# Altium PCB PCB1-nano-withlogo-SMT.PcbDoc (part 5 of 5)
Units mil, origin at the board's own origin, x right, y up, seen from the top; angles counter-clockwise.
Board outline 3300 x 2100 mil, 2 copper layers (Top Layer, Bottom Layer); 48 components, 47 nets, 232 pads, 66 vias.
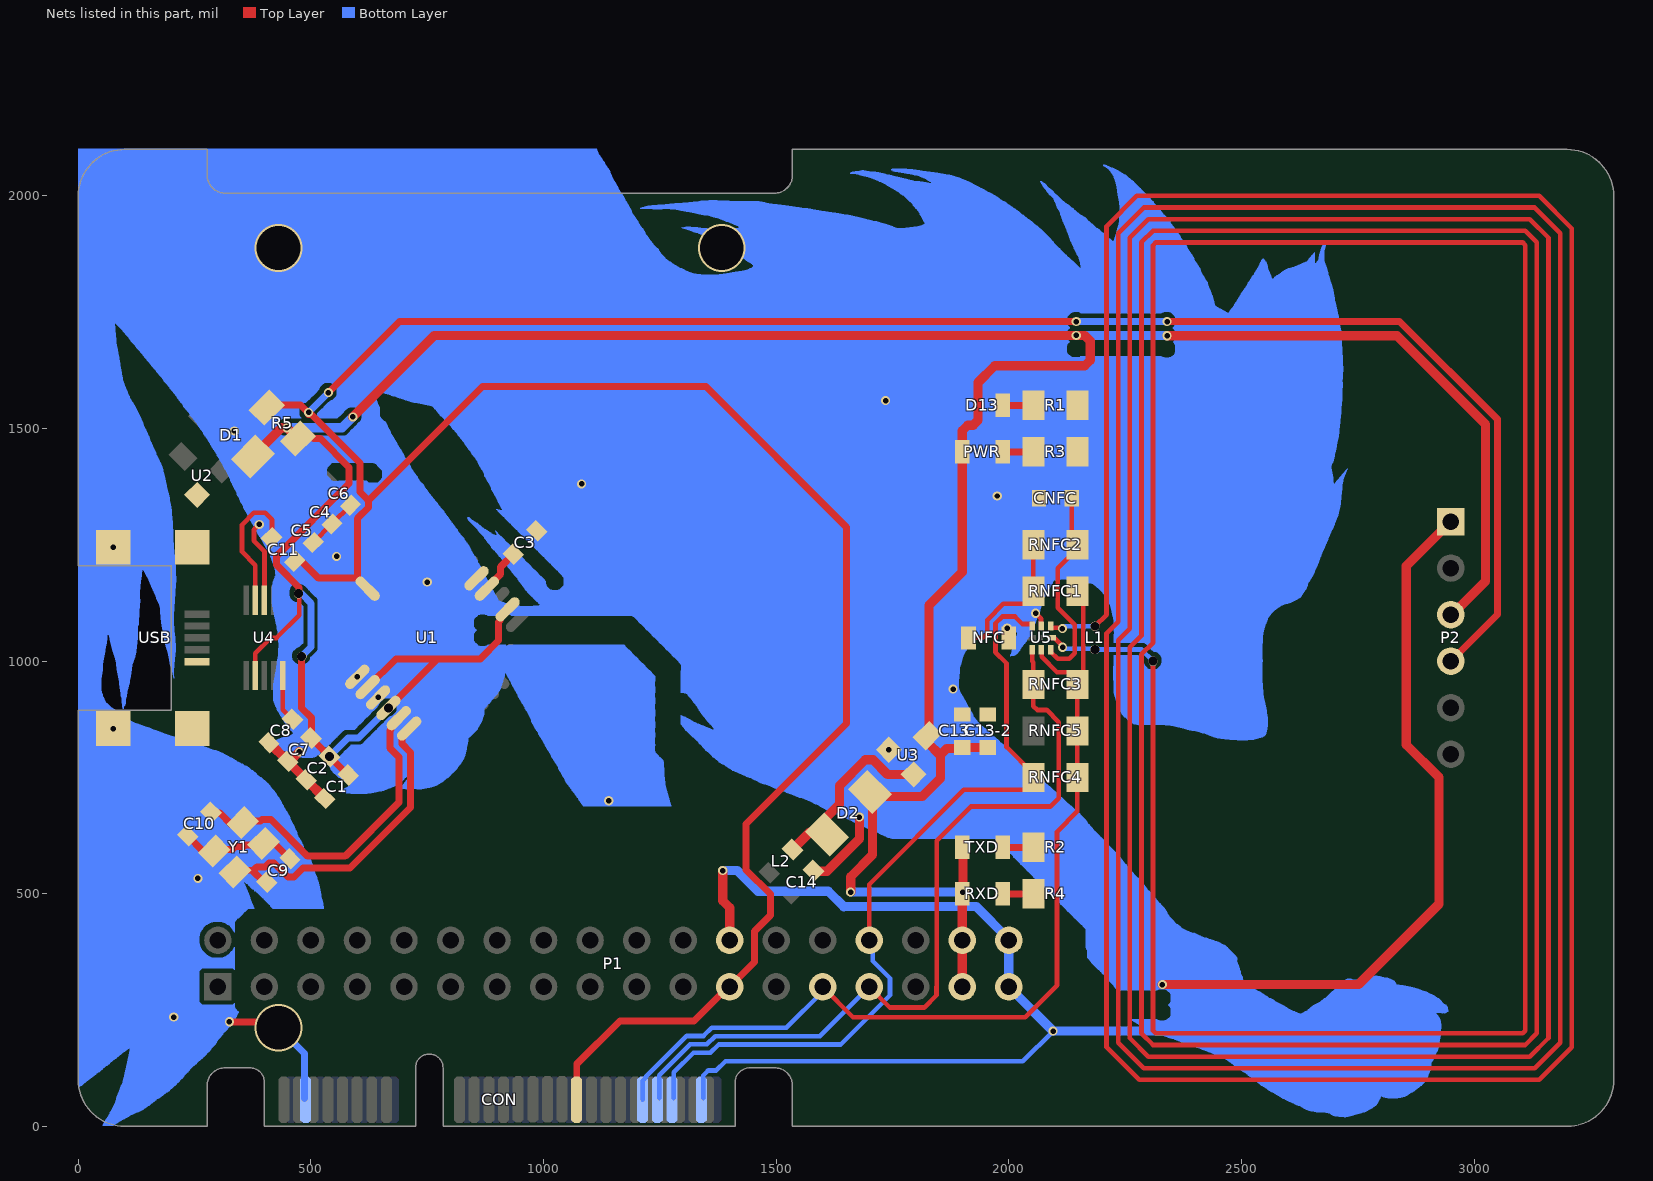
[diagram p5: the nets of this part, all layers, seen from the top]

## Via types
v1: diameter 19.68, hole 11.81, Top Layer to Bottom Layer, 55 vias
v2: diameter 20, hole 19.5, Top Layer to Bottom Layer, tented both sides, 8 vias
v3: diameter 102.36, hole 94.49, Top Layer to Bottom Layer, 3 vias

## Nets (pads, with @x,y where several pads share a name; then routed paths per layer and width w, separated by ;. In a path a pad name is that pad's centre, name@x,y a point inside that pad or via, vN(x,y) a via of type N, cw(c..) or ccw(c..) an arc to the next point about the centre after c; other vN are vias at no path point) (continued)
GND: (continued)
  Bottom Layer w1: 2428,162 2921,162 ; 2430,161 2920,161 ; 2430,842 2551,842 ; 2432,160 2920,160 ; 2432,841 2550,841 ; 2434,159 2919,159 ; 2435,840 2549,840 ; 2436,158 2919,158 ; 2438,157 2918,157 ; 2438,839 2547,839 ; 2440,156 2918,156 ; 2440,838 2546,838 ; 2442,155 2917,155 ; 2443,837 2544,837 ; 2445,154 2917,154 ; 2445,836 2541,836 ; 2447,153 2916,153 ; 2448,835 2537,835 ; 2449,152 2916,152 ; 2452,151 2916,151 ; 2454,150 2915,150 ; 2455,834 2534,834 ; 2456,149 2915,149 ; 2459,148 2914,148 ; 2462,147 2914,147 ; 2464,146 2913,146 ; 2464,833 2530,833 ; 2465,145 2913,145 ; 2467,144 2912,144 ; 2469,143 2912,143 ; 2471,142 2911,142 ; 2472,141 2910,141 ; 2473,1749 2707,1749 ; 2473,1750 2707,1750 ; 2474,140 2910,140 ; 2474,1751 2707,1751 ; 2475,139 2909,139 ; 2475,832 2526,832 ; 2475,1752 2706,1752 ; 2475,1753 2706,1753 ; 2476,1754 2706,1754 ; 2477,138 2908,138 ; 2477,1755 2706,1755 ; 2477,1756 2706,1756 ; 2478,137 2908,137 ; 2478,1757 2705,1757 ; 2479,136 2908,136 ; 2479,1758 2705,1758 ; 2479,1759 2705,1759 ; 2480,1760 2705,1760 ; 2481,135 2908,135 ; 2481,1761 2705,1761 ; 2482,134 2908,134 ; 2482,1762 2704,1762 ; 2482,1763 2704,1763 ; 2483,133 2908,133 ; 2483,1764 2704,1764 ; 2484,132 2908,132 ; 2484,1765 2704,1765 ; 2484,1766 2704,1766 ; 2485,1767 2703,1767 ; 2486,131 2908,131 ; 2486,1768 2703,1768 ; 2487,130 2908,130 ; 2487,1769 2703,1769 ; 2487,1770 2703,1770 ; 2488,129 2908,129 ; 2488,1771 2702,1771 ; 2489,128 2907,128 ; 2489,1772 2702,1772 ; 2489,1773 2702,1773 ; 2490,1774 2702,1774 ; 2490,1775 2701,1775 ; 2491,127 2907,127 ; 2491,831 2514,831 ; 2491,1776 2701,1776 ; 2491,1777 2701,1777 ; 2492,126 2907,126 ; 2492,1778 2701,1778 ; 2493,1779 2700,1779 ; 2493,1780 2700,1780 ; 2494,125 2907,125 ; 2494,1781 2700,1781 ; 2494,1782 2700,1782 ; 2495,124 2906,124 ; 2495,1783 2699,1783 ; 2496,1784 2699,1784 ; 2496,1785 2699,1785 ; 2497,123 2906,123 ; 2497,1786 2699,1786 ; 2497,1787 2699,1787 ; 2498,1788 2699,1788 ; 2499,122 2906,122 ; 2499,1789 2698,1789 ; 2499,1790 2698,1790 ; 2500,121 2906,121 ; 2500,1791 2698,1791 ; 2501,1792 2698,1792 ; 2501,1793 2698,1793 ; 2502,120 2905,120 ; 2502,1794 2698,1794 ; 2503,119 2905,119 ; 2503,1795 2697,1795 ; 2504,1796 2697,1796 ; 2504,1797 2697,1797 ; 2505,118 2905,118 ; 2505,1798 2697,1798 ; 2506,117 2904,117 ; 2506,1799 2697,1799 ; 2506,1800 2696,1800 ; 2507,116 2904,116 ; 2507,1801 2696,1801 ; 2508,1802 2696,1802 ; 2508,1803 2696,1803 ; 2509,115 2904,115 ; 2509,1804 2695,1804 ; 2509,1805 2695,1805 ; 2510,114 2903,114 ; 2510,1806 2695,1806 ; 2511,113 2903,113 ; 2511,1807 2695,1807 ; 2511,1808 2694,1808 ; 2512,1809 2694,1809 ; 2512,1810 2694,1810 ; 2513,112 2902,112 ; 2513,1811 2693,1811 ; 2514,111 2902,111 ; 2514,1812 2693,1812 ; 2514,1813 2693,1813 ; 2515,110 2901,110 ; 2515,1814 2692,1814 ; 2516,1815 2692,1815 ; 2516,1816 2692,1816 ; 2517,109 2901,109 ; 2517,1817 2691,1817 ; 2518,108 2900,108 ; 2518,1818 2691,1818 ; 2518,1819 2691,1819 ; 2519,1820 2691,1820 ; 2519,1821 2690,1821 ; 2520,107 2900,107 ; 2520,1822 2690,1822 ; 2521,106 2899,106 ; 2521,1823 2565,1823 ; 2521,1824 2565,1824 ; 2522,105 2899,105 ; 2522,1825 2564,1825 ; 2522,1826 2564,1826 ; 2523,1827 2564,1827 ; 2524,104 2899,104 ; 2524,1828 2564,1828 ; 2524,1829 2563,1829 ; 2525,103 2898,103 ; 2525,1830 2563,1830 ; 2526,102 2898,102 ; 2526,1831 2563,1831 ; 2527,101 2897,101 ; 2527,1832 2562,1832 ; 2527,1833 2562,1833 ; 2528,1834 2561,1834 ; 2529,100 2897,100 ; 2529,1835 2561,1835 ; 2529,1836 2561,1836 ; 2530,99 2896,99 ; 2530,1837 2560,1837 ; 2531,1838 2560,1838 ; 2531,1839 2559,1839 ; 2532,98 2895,98 ; 2532,1840 2559,1840 ; 2533,97 2895,97 ; 2533,1841 2558,1841 ; 2533,1842 2558,1842 ; 2534,96 2894,96 ; 2534,1843 2558,1843 ; 2534,1844 2557,1844 ; 2535,95 2893,95 ; 2535,1845 2557,1845 ; 2535,1846 2557,1846 ; 2536,94 2892,94 ; 2536,1847 2556,1847 ; 2536,1848 2556,1848 ; 2537,1849 2556,1849 ; 2537,1850 2556,1850 ; 2538,93 2891,93 ; 2538,1851 2555,1851 ; 2538,1852 2555,1852 ; 2539,92 2890,92 ; 2539,1853 2555,1853 ; 2539,1854 2554,1854 ; 2539,1855 2554,1855 ; 2540,91 2889,91 ; 2540,1856 2554,1856 ; 2540,1857 2553,1857 ; 2541,90 2888,90 ; 2541,1858 2553,1858 ; 2541,1859 2552,1859 ; 2542,1860 2551,1860 ; 2543,89 2887,89 ; 2543,1861 2551,1861 ; 2543,1862 2550,1862 ; 2544,88 2886,88 ; 2544,1863 2549,1863 ; 2545,1864 2549,1864 ; 2546,87 2884,87 ; 2546,1865 2548,1865 ; 2547,86 2883,86 ; 2549,85 2882,85 ; 2551,84 2881,84 ; 2552,83 2879,83 ; 2554,82 2878,82 ; 2555,81 2877,81 ; 2557,80 2875,80 ; 2558,79 2874,79 ; 2560,78 2872,78 ; 2562,77 2871,77 ; 2563,76 2869,76 ; 2565,75 2868,75 ; 2567,74 2866,74 ; 2568,73 2865,73 ; 2569,1823 2690,1823 ; 2570,72 2863,72 ; 2570,1824 2690,1824 ; 2571,1825 2689,1825 ; 2572,71 2862,71 ; 2572,1826 2689,1826 ; 2574,70 2860,70 ; 2574,1827 2689,1827 ; 2575,69 2859,69 ; 2575,1828 2688,1828 ; 2576,1829 2688,1829 ; 2577,68 2857,68 ; 2578,1830 2688,1830 ; 2579,67 2855,67 ; 2579,1831 2687,1831 ; 2580,1832 2687,1832 ; 2581,66 2853,66 ; 2582,65 2799,65 ; 2582,1833 2687,1833 ; 2583,1834 2686,1834 ; 2584,64 2799,64 ; 2585,1835 2686,1835 ; 2586,63 2798,63 ; 2586,1836 2686,1836 ; 2588,62 2798,62 ; 2588,1837 2685,1837 ; 2589,61 2798,61 ; 2589,1838 2685,1838 ; 2591,60 2797,60 ; 2591,1839 2685,1839 ; 2592,1840 2684,1840 ; 2593,59 2797,59 ; 2594,58 2796,58 ; 2594,1841 2684,1841 ; 2596,57 2796,57 ; 2596,1842 2684,1842 ; 2598,56 2795,56 ; 2598,1843 2684,1843 ; 2601,55 2795,55 ; 2601,1844 2683,1844 ; 2603,54 2794,54 ; 2603,1845 2683,1845 ; 2606,53 2794,53 ; 2606,1846 2683,1846 ; 2608,52 2793,52 ; 2609,1847 2683,1847 ; 2610,51 2793,51 ; 2613,50 2792,50 ; 2613,1848 2682,1848 ; 2615,49 2791,49 ; 2616,1849 2682,1849 ; 2617,48 2791,48 ; 2619,47 2790,47 ; 2619,1850 2682,1850 ; 2621,1851 2681,1851 ; 2622,46 2789,46 ; 2623,1852 2681,1852 ; 2624,45 2787,45 ; 2626,44 2786,44 ; 2626,1853 2680,1853 ; 2628,43 2785,43 ; 2629,1854 2680,1854 ; 2630,42 2783,42 ; 2630,243 2919,243 ; 2631,1855 2680,1855 ; 2632,41 2782,41 ; 2632,244 2919,244 ; 2633,40 2781,40 ; 2633,1856 2658,1856 ; 2634,245 2940,245 ; 2635,39 2779,39 ; 2635,246 2941,246 ; 2636,1857 2658,1857 ; 2637,38 2777,38 ; 2637,247 2944,247 ; 2638,248 2944,248 ; 2638,1858 2658,1858 ; 2639,37 2775,37 ; 2640,249 2944,249 ; 2640,1859 2658,1859 ; 2641,1860 2658,1860 ; 2642,36 2773,36 ; 2642,250 2944,250 ; 2642,1861 2658,1861 ; 2643,251 2944,251 ; 2643,1862 2658,1862 ; 2644,252 2943,252 ; 2644,1863 2658,1863 ; 2645,35 2771,35 ; 2645,1864 2658,1864 ; 2645,1865 2658,1865 ; 2646,253 2943,253 ; 2646,1866 2658,1866 ; 2647,254 2943,254 ; 2647,1867 2658,1867 ; 2648,255 2943,255 ; 2648,1868 2658,1868 ; 2649,34 2769,34 ; 2649,256 2943,256 ; 2649,1869 2657,1869 ; 2650,257 2942,257 ; 2650,1870 2657,1870 ; 2650,1871 2657,1871 ; 2651,1872 2657,1872 ; 2652,258 2942,258 ; 2652,1873 2657,1873 ; 2653,259 2941,259 ; 2653,1874 2657,1874 ; 2654,260 2940,260 ; 2654,1875 2657,1875 ; 2654,1876 2658,1876 ; 2655,1877 2658,1877 ; 2656,33 2767,33 ; 2656,261 2940,261 ; 2656,1878 2658,1878 ; 2657,1879 2658,1879 ; 2658,262 2938,262 ; 2659,263 2937,263 ; 2661,32 2765,32 ; 2661,264 2935,264 ; 2661,1856 2679,1856 ; 2662,1857 2679,1857 ; 2662,1858 2679,1858 ; 2663,265 2934,265 ; 2663,1859 2678,1859 ; 2663,1860 2678,1860 ; 2664,1861 2678,1861 ; 2665,266 2933,266 ; 2665,1862 2678,1862 ; 2665,1863 2678,1863 ; 2666,1864 2678,1864 ; 2666,1865 2678,1865 ; 2666,1866 2678,1866 ; 2666,1867 2678,1867 ; 2666,1868 2678,1868 ; 2666,1869 2678,1869 ; 2667,31 2763,31 ; 2667,267 2932,267 ; 2667,1870 2678,1870 ; 2667,1871 2678,1871 ; 2667,1872 2678,1872 ; 2667,1873 2678,1873 ; 2667,1874 2678,1874 ; 2667,1875 2678,1875 ; 2668,1876 2678,1876 ; 2668,1877 2678,1877 ; 2668,1878 2678,1878 ; 2669,268 2931,268 ; 2669,1879 2678,1879 ; 2669,1880 2678,1880 ; 2669,1881 2678,1881 ; 2670,269 2930,269 ; 2670,1882 2678,1882 ; 2670,1883 2678,1883 ; 2670,1884 2678,1884 ; 2670,1885 2679,1885 ; 2671,1886 2679,1886 ; 2671,1887 2679,1887 ; 2672,270 2929,270 ; 2672,1888 2679,1888 ; 2672,1889 2680,1889 ; 2673,271 2928,271 ; 2673,1890 2680,1890 ; 2673,1891 2680,1891 ; 2674,1892 2680,1892 ; 2674,1893 2681,1893 ; 2675,272 2927,272 ; 2675,1894 2681,1894 ; 2675,1895 2681,1895 ; 2675,1896 2681,1896 ; 2676,273 2926,273 ; 2676,1897 2682,1897 ; 2677,274 2925,274 ; 2677,1898 2682,1898 ; 2677,1899 2682,1899 ; 2678,275 2924,275 ; 2678,1900 2682,1900 ; 2679,1901 2683,1901 ; 2680,276 2923,276 ; 2680,1902 2683,1902 ; 2680,1903 2684,1903 ; 2681,30 2760,30 ; 2681,277 2921,277 ; 2681,1904 2684,1904 ; 2682,278 2920,278 ; 2683,279 2918,279 ; 2684,280 2917,280 ; 2685,281 2915,281 ; 2686,282 2913,282 ; 2687,29 2757,29 ; 2688,283 2911,283 ; 2689,284 2909,284 ; 2690,285 2906,285 ; 2691,28 2753,28 ; 2691,286 2904,286 ; 2692,27 2749,27 ; 2692,287 2902,287 ; 2693,26 2745,26 ; 2693,288 2900,288 ; 2694,289 2898,289 ; 2695,25 2741,25 ; 2695,290 2895,290 ; 2696,291 2893,291 ; 2697,24 2738,24 ; 2697,292 2891,292 ; 2698,293 2888,293 ; 2699,294 2885,294 ; 2700,295 2882,295 ; 2701,23 2734,23 ; 2701,296 2880,296 ; 2701,1381 2717,1381 ; 2701,1382 2718,1382 ; 2702,297 2876,297 ; 2702,1383 2718,1383 ; 2702,1384 2718,1384 ; 2703,298 2872,298 ; 2703,1385 2718,1385 ; 2704,299 2868,299 ; 2704,1386 2718,1386 ; 2704,1387 2719,1387 ; 2705,300 2864,300 ; 2705,1388 2719,1388 ; 2706,301 2859,301 ; 2706,1389 2719,1389 ; 2707,302 2853,302 ; 2707,1390 2719,1390 ; 2708,303 2848,303 ; 2708,1391 2719,1391 ; 2709,22 2730,22 ; 2709,304 2839,304 ; 2709,1392 2719,1392 ; 2710,305 2834,305 ; 2710,1393 2720,1393 ; 2710,1394 2720,1394 ; 2711,306 2833,306 ; 2711,1395 2720,1395 ; 2712,307 2833,307 ; 2712,308 2832,308 ; 2712,1396 2721,1396 ; 2713,309 2832,309 ; 2713,310 2831,310 ; 2713,1397 2721,1397 ; 2714,311 2830,311 ; 2714,1398 2721,1398 ; 2715,1399 2722,1399 ; 2716,312 2829,312 ; 2716,1400 2722,1400 ; 2716,1401 2722,1401 ; 2717,1402 2723,1402 ; 2718,313 2828,313 ; 2718,1403 2723,1403 ; 2719,1404 2724,1404 ; 2720,1405 2724,1405 ; 2721,21 2724,21 ; 2721,1406 2724,1406 ; 2722,314 2826,314 ; 2722,1407 2725,1407 ; 2722,1408 2725,1408 ; 2723,315 2824,315 ; 2723,1409 2726,1409 ; 2724,1410 2726,1410 ; 2725,316 2738,316 ; 2725,1411 2726,1411 ; 2726,1412 2727,1412 ; 2726,1413 2727,1413 ; 2727,317 2736,317 ; 2727,1414 2728,1414 ; 2749,316 2822,316 ; 2758,317 2820,317 ; 2760,318 2817,318 ; 2762,319 2814,319 ; 2765,320 2810,320 ; 2768,321 2806,321 ; 2773,322 2802,322 ; 2780,323 2798,323 ; 2787,324 2792,324 ; 2803,65 2851,65 ; 2805,64 2847,64 ; 2809,63 2842,63 ; 2814,62 2836,62 ; 2931,244 2934,244 ; 2936,244 2938,244
  Bottom Layer w10: CON.50@1342.81,60.95 1342.81,109.4 1349.27,115.86 1349.63,115.86 1354.09,120.32 1371.38,120.32 1391.06,140 1524.3,140 2030,140 v1(2095,205)
  Bottom Layer w15: v3(430.18,212.03) 485.8,156.41 CON.4@485.8,59.92
  Bottom Layer w20: v1(1385,550) 1416.36,550 1460.86,505.5 1612.03,505.5 1645.07,472.45 1645.07,472.53 1930.04,472.53 2000,402.57 P1.36@2000,400 P1.35@2000,300 v1(2095,205) 2288,205 2290,205 2299,205 2309,205 2324,205 2334,205 2340,205
  other v1: 205,235 257,533 1140,700 1742.27,809.59 75,855 644.21,921.94 1880,940 599.67,966.48 1996.5,1071 750,1170 555,1225 75,1245 1975,1355 1081.5,1381 335,1495 1735,1560
  other v3: 430.18,1887.97 1382.93,1887.97
NetC3_2: C3.2 U1.20 | length 97.7
  Top Layer w15: U1.20@878.06,1155.79 878.06,1157.59 907.9,1187.43 907.9,1202.9 C3.2@934.94,1229.95
NetC8_2: C8.2 U4.10 | length 102.8
  Top Layer w10: U4.10@439.37,969.29 439.37,895.74 C8.2@460.05,875.05
NetC11_2: C11.2 U4.4 | length 295.3
  Top Layer w10: U4.4@380.32,1130.71 380.32,1206.45 351.92,1234.84 351.92,1293.49 377.43,1319 401.36,1319 416.34,1304.02 416.34,1266.45 C11.2@414.95,1265.05
NetCNFC_2: CNFC.2 RNFC2.2 U5.7 | length 438.3
  Top Layer w10: U5.7@2089.68,1024.41 2090.59,1023.5 2090.59,1019.57 2105.16,1005 2130,1005 2142,1017 2142,1078.13 2105,1115.13 2105,1199.88 2147.24,1242.13 RNFC2.2@2147.24,1250 2135.43,1261.81 CNFC.2@2135.43,1350
NetD2_1: D2.1 L2.2 U3.3 | length 400.4
  Top Layer w20: L2.2@1535.05,595.05 1572.81,632.81 D2.1@1603.71,632.81 ; D2.1@1609.34,627.17 D2.1@1603.71,632.81 ; U3.3@1795.3,756.56 1739.44,756.56 1708.13,787.87 1691.56,787.87 1635.87,732.19 1635.87,692.59 1603.71,660.43 D2.1@1603.71,632.81
NetD13_2: D13.2 R1.1 | length 66.1
  Top Layer w15: D13.2@1986.61,1550 R1.1@2052.76,1550
NetL1_1: L1.1 U5.1 | length 101.4
  Top Layer w10: U5.1@2089.68,1075.59 2089.68,1072.76 2090.59,1071.85 2113.15,1071.85 v1(2115,1070)
  Bottom Layer w10: v1(2115,1070) 2117.62,1070 2122.62,1075 L1.1@2185,1075
  other v2: 2310,1000
NetL1_2: L1.2 U5.8 | length 105.4
  Top Layer w10: U5.8@2091.66,1050 2092.56,1049.09 2099.14,1049.09 2113.58,1034.65 2113.58,1031.71 v1(2115.44,1029.86)
  Bottom Layer w10: v1(2115.44,1029.86) 2118.06,1029.86 2121,1026.91 2183.09,1026.91 L1.2@2185,1025
NetNFC_1: NFC.1 RNFC1.1 RNFC2.1 | length 302.5
  Top Layer w10: NFC.1@1913.39,1050 1944.13,1050 1953.25,1059.12 1953.25,1088.34 1988.42,1123.5 2034.13,1123.5 2052.76,1142.13 RNFC1.1@2052.76,1150 RNFC2.1@2052.76,1250
NetPWR_2: PWR.2 R3.1 | length 66.1
  Top Layer w15: PWR.2@1986.61,1450 R3.1@2052.76,1450
NetR2_1: R2.1 TXD.2 | length 66.1
  Top Layer w15: TXD.2@1986.61,600 R2.1@2052.76,600
NetR4_1: R4.1 RXD.2 | length 66.1
  Top Layer w15: RXD.2@1986.61,500 R4.1@2052.76,500
RST: C11.1 CON.33 P1.23 P2.4 R5.2 U1.29 | length 6849.3
  Top Layer w15: R5.2@405,1545 410.57,1550.57 477.44,1550.57 493.5,1534.51 v1(494.77,1534.51) ; C11.1@465.05,1214.95 466.98,1216.87 477.58,1216.87 516.21,1178.24 U1.29@599.49,1178.24 ; v1@495.03,1530.16 501.17,1530.16 605.15,1426.18 605.15,1363.81 623.69,1345.27 ; v1(537.63,1577.37) 690.26,1730 v1(2145,1730) ; U1.29@621.94,1155.79 621.94,1157.59 600.39,1179.14 600.39,1307.14 623.69,1330.45 623.69,1343.29 622.7,1344.28 623.69,1345.27 ; CON.33@1071.26,57.12 1071.26,133.73 1164.53,227 1323.41,227 1396.41,300 P1.23@1400,300 1452.97,352.97 1452.97,419.48 1487.34,453.85 1487.34,499.41 1435.34,551.41 1435.34,650.13 1651.5,866.28 1651.5,1287.84 1348.84,1590.5 868.92,1590.5 623.69,1345.27 ; v1(2340,1730) 2840,1730 3050,1520 3050,1100 P2.4@2950,1000
  Bottom Layer w15: v1(494.77,1534.51) v1(537.63,1577.37) ; v1(2145,1730) v1(2340,1730)
SCL: CON.46 P1.30 RNFC4.1 U5.3 | length 1758.1
  Top Layer w10: P1.30@1700,400 1700,520 1903.5,723.5 2034.13,723.5 2052.76,742.13 2052.76,757.87 1995,815.63 1995,995.87 1971.25,1019.62 1971.25,1080.88 1986.21,1095.84 2013.29,1095.84 2029.41,1079.72 2049.41,1079.72 2050.32,1078.82 U5.3@2050.32,1075.59
  Bottom Layer w10: CON.46@1279.82,60.95 1279.82,116.03 1322.26,158.47 1358.62,158.47 1376.15,176 1638.97,176 1744.53,281.56 1744.53,318.44 1707.5,355.47 1707.5,392.5 P1.30@1700,400
SDA: CON.44 P1.29 RNFC3.1 U5.5 | length 1740.3
  Top Layer w10: P1.29@1700,300 1744.53,255.47 1818.44,255.47 1844.53,281.56 1844.53,299.53 1845,300 1845,614.09 1918.42,687.5 2089.22,687.5 2107.38,705.66 2107.38,868.88 2081.07,895.19 2061.07,895.19 2052.76,903.5 RNFC3.1@2052.76,950 2052.76,997.2 2050.39,999.57 2050.39,1024.34 U5.5@2050.32,1024.41
  Bottom Layer w10: CON.44@1248.32,60.95 1248.32,109.98 1314.81,176.47 1351.17,176.47 1368.69,194 1594,194 P1.29@1700,300
VCC: C1.2 C2.2 C7.2 C13-1.2 C13-2.2 D1.2 D2.2 P1.33 P1.34 P2.3 PWR.1 R5.1 RXD.1 TXD.1 U1.4 U1.6 U1.18 U3.2 U4.7 | length 7512.7
  Top Layer w10: U4.7@380.32,969.29 380.32,1016.93 413.17,1049.79 425.78,1049.79 475,1099.01 475,1143.28 v2(473.13,1145.14)
  Top Layer w15: R5.1@471.81,1478.19 477.38,1483.75 500.18,1483.75 505.75,1478.19 520.62,1478.19 582.15,1416.65 582.15,1382.15 426.42,1226.42 426.42,1206.6 474.29,1158.73 474.09,1158.53 474.09,1146.1 v2(473.13,1145.14) ; v2(480,1010) 480,899.3 500.9,878.4 500.9,850.35 498.66,848.11 498.66,836.45 C7.2@500.05,835.05 v2(540.05,795.05) C1.2@580.05,755.05 ; U1.4@621.94,944.21 682.74,1005.01 771.82,1005.01 ; v2(666.48,899.67) 771.82,1005.01 ; U1.18@922.6,1111.25 906.02,1094.66 906.02,1087.35 903,1084.33 903,1044.11 863.9,1005.01 771.82,1005.01
  Top Layer w20: D1.2@375,1440 436.59,1501.59 v1(448.41,1501.59) R5.1@471.81,1478.19 ; v1(590,1525) 765,1700 v1(2145,1700) 2163.28,1700 2175,1688.28 2175,1646.72 2163.28,1635 1970,1635 1933.75,1598.75 1933.75,1517.54 1923.2,1507 1911.72,1507 1900,1495.28 PWR.1@1900,1450 1900,1191.52 1828.54,1120.06 1828.54,830.88 1824.86,827.2 1824.86,825.72 1853.14,797.43 1853.14,748.14 1814,709 1738.98,709 1728.88,719.1 D2.2@1701.27,719.1 1706.9,713.46 1706.9,583.73 1660,536.83 v1(1660,503.66) ; 1852.32,798.25 1866.37,812.3 1897.74,812.3 C13-1.2@1900,814.57 C13-2.2@1955,814.57 ; P1.33@1900,300 RXD.1@1900,500 ; TXD.1@1900,600 1901.34,598.66 v1(1901.34,503.66) ; v1(2340,1699.5) 2834.44,1699.5 3024.5,1509.44 3024.5,1171.93 2952.57,1100 P2.3@2950,1100
  Bottom Layer w15: v2(473.13,1145.14) 479.25,1145.14 500,1124.39 500,1030 v2(480,1010) ; v2(540.05,795.05) 580,835 601.81,835 v2(666.48,899.67)
  Bottom Layer w20: v1(448.41,1501.59) 566.59,1501.59 v1(590,1525) ; v1(1660,503.66) v1(1901.34,503.66) ; v1(2145,1700) 2339.5,1700 v1(2340,1699.5)
VNFC: CON.42 P1.27 RNFC1.2 RNFC3.2 RNFC4.2 RNFC5.2 U5.6 | length 2065.9
  Top Layer w10: P1.27@1600,300 1665.03,234.97 2034.97,234.97 2103.62,303.62 2103.62,633.42 2147.24,677.04 RNFC4.2@2147.24,750 RNFC5.2@2147.24,850 RNFC3.2@2147.24,950 RNFC3.2@2147.24,957.87 ; U5.6@2069.99,1024.41 2070.78,1023.62 2070.78,1009.18 2103.47,976.5 2128.62,976.5 RNFC3.2@2147.24,957.87 ; RNFC1.2@2147.24,1150 2160,1137.24 2160,970.63 RNFC3.2@2147.24,957.87
  Bottom Layer w10: CON.42@1212.99,57.12 1212.99,98.48 1219.67,105.17 1219.67,106.79 1307.35,194.47 1343.71,194.47 1361.24,212 1521.98,212 1600,290.02 P1.27@1600,300
XTAL_N: C9.2 U1.8 Y1.2 | length 684.7
  Top Layer w15: Y1.2@336.65,547.1 340.13,550.58 373.71,550.58 ; C9.2@404.95,524.95 399.34,524.95 373.71,550.58 ; U1.8@711.03,855.13 695.46,839.56 695.46,822.43 713.75,804.13 713.75,685.5 583.98,555.73 482.7,555.73 463.4,536.42 450.56,536.42 420.87,566.11 409.59,566.11 400.83,557.36 387.99,557.36 387.77,557.58 383.53,557.58 376.53,550.58 373.71,550.58
XTAL_P: C10.2 U1.7 Y1.1 | length 696.3
  Top Layer w15: C10.2@285.05,675.05 286.45,673.66 304.22,673.66 328.47,649.42 349.87,649.42 Y1.1@353.35,652.9 356.83,656.38 391.99,656.38 394.95,659.34 413.9,659.34 492.52,580.73 573.62,580.73 688.75,695.86 688.75,793.77 669.39,813.14 669.39,850.72 672.17,853.5 672.17,860.81 U1.7@688.75,877.4
pads on no net: CON.9 CON.15 CON.18 CON.21 CON.26 CON.27 CON.29 CON.34 CON.35 CON.37 CON.40 CON.43 CON.45 CON.49 CON.51 U4.5 U4.6 U5.9 USB.4
copper on no net: | length 38091.2
  Top Layer w10: 1134.25,57.12 1134.25,93.13
  Top Layer w45: 50,775 50,100 ccw(c100,100) 100,50 235,50 ; 50,1325 50,2000 cw(c100,2000) 100,2050 235,2050 ; 1575,50 2210,50 3200,50 ccw(c3200,100) 3250,100 3250,690 3250,2000 ccw(c3200,2000) 3200,2050 2210,2050 1580,2050
  Bottom Layer w1: 368,327 369,327 ; 368,328 370,328 ; 368,329 371,329 ; 368,330 372,330 ; 368,331 373,331 ; 368,332 374,332 ; 368,333 375,333 ; 368,334 376,334 ; 368,335 377,335 ; 368,336 378,336 ; 368,337 380,337 ; 368,338 382,338 ; 368,339 385,339 ; 368,340 390,340 ; 368,341 404,341 ; 368,342 404,342 ; 368,343 405,343 ; 368,344 405,344 ; 368,345 405,345 ; 368,346 405,346 ; 368,347 405,347 ; 368,348 406,348 ; 368,349 406,349 ; 368,350 406,350 ; 368,351 406,351 ; 368,352 406,352 ; 368,353 406,353 ; 368,354 406,354 ; 368,355 406,355 ; 368,356 406,356 ; 368,357 406,357 ; 368,358 406,358 ; 368,359 405,359 ; 368,360 404,360 ; 368,361 403,361 ; 368,362 402,362 ; 368,363 401,363 ; 368,364 387,364 ; 368,365 383,365 ; 368,366 381,366 ; 368,367 379,367 ; 368,368 378,368 ; 368,369 376,369 ; 368,370 375,370 ; 368,371 374,371 ; 368,372 373,372 ; 368,373 372,373 ; 368,374 371,374 ; 368,375 370,375 ; 368,376 369,376 ; 447,435 477,435 ; 448,434 476,434 ; 449,433 475,433 ; 450,432 474,432 ; 451,430 471,430 ; 451,431 472,431 ; 452,429 470,429 ; 453,428 469,428 ; 454,427 468,427 ; 455,426 467,426 ; 456,425 466,425 ; 457,424 466,424 ; 458,423 465,423 ; 459,422 465,422 ; 460,421 464,421 ; 461,420 464,420 ; 462,419 463,419 ; 498,363 513,363 ; 499,362 514,362 ; 500,360 516,360 ; 500,361 515,361 ; 501,358 518,358 ; 501,359 517,359 ; 502,356 520,356 ; 502,357 519,357 ; 503,354 522,354 ; 503,355 521,355 ; 504,352 524,352 ; 504,353 523,353 ; 505,350 526,350 ; 505,351 525,351 ; 506,349 527,349 ; 507,348 528,348 ; 508,346 530,346 ; 508,347 529,347 ; 509,344 532,344 ; 509,345 531,345 ; 510,342 534,342 ; 510,343 533,343 ; 511,340 534,340 ; 511,341 534,341 ; 511,364 512,364 ; 513,339 534,339 ; 516,338 534,338 ; 518,337 534,337 ; 519,336 534,336 ; 521,335 534,335 ; 521,435 533,435 ; 522,334 534,334 ; 522,434 533,434 ; 523,333 534,333 ; 523,433 534,433 ; 524,332 534,332 ; 524,432 534,432 ; 525,331 534,331 ; 525,431 534,431 ; 526,330 534,330 ; 526,430 534,430 ; 527,329 534,329 ; 527,429 535,429 ; 528,328 534,328 ; 528,428 535,428 ; 529,327 534,327 ; 529,427 535,427 ; 530,326 534,326 ; 530,426 535,426 ; 531,325 534,325 ; 531,425 536,425 ; 532,324 534,324 ; 532,424 536,424 ; 533,322 534,322 ; 533,323 534,323 ; 533,422 536,422 ; 533,423 536,423 ; 534,420 537,420 ; 534,421 537,421 ; 535,418 537,418 ; 535,419 537,419 ; 536,389 545,389 ; 536,414 539,414 ; 536,415 538,415 ; 536,416 538,416 ; 536,417 538,417 ; 537,388 545,388 ; 537,390 545,390 ; 537,391 544,391 ; 537,392 544,392 ; 537,393 544,393 ; 537,394 544,394 ; 537,395 543,395 ; 537,396 543,396 ; 537,397 543,397 ; 537,398 543,398 ; 537,399 542,399 ; 537,400 542,400 ; 537,401 542,401 ; 537,402 542,402 ; 537,403 542,403 ; 537,404 541,404 ; 537,405 541,405 ; 537,406 541,406 ; 537,407 541,407 ; 537,408 540,408 ; 537,409 540,409 ; 537,410 540,410 ; 537,411 540,411 ; 537,412 539,412 ; 537,413 539,413 ; 538,387 545,387 ; 539,386 546,386 ; 540,385 546,385 ; 541,384 546,384 ; 542,383 546,383 ; 543,382 547,382 ; 544,381 547,381 ; 545,380 547,380 ; 546,379 547,379 ; 1127,625 1289,625 ; 1128,623 1289,623 ; 1128,624 1289,624 ; 1129,621 1290,621 ; 1129,622 1290,622 ; 1130,619 1291,619 ; 1130,620 1290,620 ; 1131,617 1292,617 ; 1131,618 1291,618 ; 1132,615 1293,615 ; 1132,616 1292,616 ; 1133,613 1293,613 ; 1133,614 1293,614 ; 1134,611 1294,611 ; 1134,612 1294,612 ; 1135,610 1295,610 ; 1136,608 1296,608 ; 1136,609 1295,609 ; 1137,606 1297,606 ; 1137,607 1296,607 ; 1138,604 1298,604 ; 1138,605 1297,605 ; 1139,602 1298,602 ; 1139,603 1298,603 ; 1140,601 1299,601 ; 1141,599 1300,599 ; 1141,600 1299,600 ; 1142,597 1301,597 ; 1142,598 1300,598 ; 1143,596 1301,596 ; 1144,594 1302,594 ; 1144,595 1302,595 ; 1145,593 1303,593 ; 1146,592 1303,592 ; 1147,590 1304,590 ; 1147,591 1304,591 ; 1148,589 1304,589 ; 1149,587 1305,587 ; 1149,588 1305,588 ; 1150,586 1306,586 ; 1151,585 1306,585 ; 1152,583 1307,583 ; 1152,584 1307,584 ; 1153,582 1308,582 ; 1154,580 1309,580 ; 1154,581 1308,581 ; 1155,579 1309,579 ; 1156,578 1309,578 ; 1157,576 1310,576 ; 1157,577 1310,577 ; 1158,575 1311,575 ; 1159,573 1312,573 ; 1159,574 1311,574 ; 1160,571 1313,571 ; 1160,572 1312,572 ; 1161,570 1313,570 ; 1162,568 1314,568 ; 1162,569 1314,569 ; 1163,567 1315,567 ; 1164,566 1315,566 ; 1165,565 1315,565 ; 1166,564 1316,564 ; 1167,563 1316,563 ; 1168,562 1317,562 ; 1169,561 1317,561 ; 1170,560 1318,560 ; 1171,559 1318,559 ; 1172,558 1320,558 ; 1173,557 1321,557 ; 1174,556 1321,556 ; 1175,555 1321,555 ; 1176,554 1322,554 ; 1177,553 1322,553 ; 1223,352 1225,352 ; 1223,353 1224,353 ; 1224,343 1230,343 ; 1224,344 1230,344 ; 1224,345 1230,345 ; 1224,346 1230,346 ; 1224,347 1230,347 ; 1224,348 1229,348 ; 1224,349 1228,349 ; 1224,350 1227,350 ; 1224,351 1226,351 ; 1225,336 1230,336 ; 1225,337 1230,337 ; 1225,338 1230,338 ; 1225,339 1230,339 ; 1225,340 1230,340 ; 1225,341 1230,341 ; 1225,342 1230,342 ; 1226,333 1230,333 ; 1226,334 1230,334 ; 1226,335 1230,335 ; 1227,332 1230,332 ; 1229,328 1230,328 ; 1229,329 1230,329 ; 1229,330 1230,330 ; 1229,331 1230,331 ; 1231,425 1236,425 ; 1232,424 1236,424 ; 1233,422 1236,422 ; 1233,423 1236,423 ; 1234,420 1236,420 ; 1234,421 1236,421 ; 1235,418 1236,418 ; 1235,419 1236,419 ; 1262,280 1266,280 ; 1262,281 1265,281 ; 1262,282 1264,282 ; 1262,283 1264,283 ; 1262,284 1263,284 ; 1262,286 1263,286 ; 1262,317 1263,317 ; 1262,318 1263,318 ; 1262,319 1263,319 ; 1262,320 1264,320 ; 1262,321 1264,321 ; 1262,322 1265,322 ; 1262,323 1265,323 ; 1262,324 1266,324 ; 1262,325 1267,325 ; 1262,326 1268,326 ; 1262,327 1268,327 ; 1262,328 1269,328 ; 1262,329 1270,329 ; 1262,330 1271,330 ; 1262,331 1272,331 ; 1262,332 1273,332 ; 1262,333 1275,333 ; 1262,334 1276,334 ; 1262,335 1275,335 ; 1262,336 1274,336 ; 1262,337 1273,337 ; 1262,338 1272,338 ; 1262,339 1271,339 ; 1262,340 1270,340 ; 1262,341 1269,341 ; 1262,342 1268,342 ; 1262,343 1267,343 ; 1262,344 1266,344 ; 1262,345 1265,345 ; 1262,346 1264,346 ; 1262,347 1263,347 ; 1263,279 1266,279 ; 1271,504 1339,504 ; 1272,503 1340,503 ; 1273,502 1341,502 ; 1274,501 1342,501 ; 1275,500 1343,500 ; 1276,499 1344,499 ; 1277,498 1345,498 ; 1278,497 1346,497 ; 1279,496 1347,496 ; 1280,495 1348,495 ; 1281,494 1349,494 ; 1282,493 1350,493 ; 1283,492 1351,492 ; 1284,491 1352,491 ; 1285,490 1353,490 ; 1286,488 1355,488 ; 1286,489 1354,489 ; 1287,487 1356,487 ; 1289,486 1357,486 ; 1290,485 1358,485 ; 1291,484 1359,484 ; 1292,483 1360,483 ; 1293,482 1361,482 ; 1294,481 1362,481 ; 1295,479 1364,479 ; 1295,480 1363,480 ; 1296,363 1314,363 ; 1296,478 1365,478 ; 1297,362 1315,362 ; 1298,361 1316,361 ; 1298,477 1366,477 ; 1299,360 1317,360 ; 1299,476 1367,476 ; 1300,359 1318,359 ; 1300,475 1368,475 ; 1301,358 1319,358 ; 1301,474 1369,474 ; 1302,357 1320,357 ; 1302,473 1370,473 ; 1303,356 1321,356 ; 1303,472 1371,472 ; 1304,355 1322,355 ; 1304,470 1373,470 ; 1304,471 1372,471 ; 1305,354 1323,354 ; 1305,441 1400,441 ; 1305,442 1399,442 ; 1305,443 1399,443 ; 1305,444 1398,444 ; 1305,445 1397,445 ; 1305,446 1396,446 ; 1305,447 1395,447 ; 1305,448 1394,448 ; 1305,449 1393,449 ; 1305,450 1392,450 ; 1305,451 1391,451 ; 1305,452 1390,452 ; 1305,453 1389,453 ; 1305,454 1388,454 ; 1305,455 1387,455 ; 1305,456 1386,456 ; 1305,457 1385,457 ; 1305,458 1384,458 ; 1305,459 1384,459 ; 1305,460 1383,460 ; 1305,461 1382,461 ; 1305,462 1381,462 ; 1305,463 1380,463 ; 1305,464 1379,464 ; 1305,465 1378,465 ; 1305,466 1377,466 ; 1305,467 1376,467 ; 1305,468 1375,468 ; 1305,469 1374,469 ; 1306,353 1324,353 ; 1307,352 1325,352 ; 1308,351 1326,351 ; 1309,349 1328,349 ; 1309,350 1327,350 ; 1309,440 1389,440 ; 1310,340 1330,340 ; 1310,341 1330,341 ; 1310,342 1330,342 ; 1310,343 1330,343 ; 1310,344 1330,344 ; 1310,345 1330,345 ; 1310,346 1330,346 ; 1310,347 1330,347 ; 1310,348 1329,348 ; 1311,364 1313,364 ; 1313,339 1330,339 ; 1313,439 1385,439 ; 1316,338 1330,338 ; 1316,438 1382,438 ; 1318,337 1330,337 ; 1318,437 1380,437 ; 1319,436 1379,436 ; 1320,336 1330,336 ; 1321,335 1330,335 ; 1321,435 1378,435 ; 1322,334 1330,334 ; 1322,434 1376,434 ; 1323,333 1330,333 ; 1323,433 1375,433 ; 1324,332 1330,332 ; 1325,331 1330,331 ; 1325,432 1373,432 ; 1326,330 1330,330 ; 1326,431 1372,431 ; 1327,329 1330,329 ; 1327,430 1371,430 ; 1328,328 1330,328 ; 1328,429 1370,429 ; 1329,327 1330,327 ; 1329,428 1369,428 ; 1330,426 1368,426 ; 1330,427 1368,427 ; 1331,425 1367,425 ; 1332,424 1366,424 ; 1333,423 1366,423 ; 1334,421 1364,421 ; 1334,422 1365,422 ; 1335,418 1363,418 ; 1335,419 1363,419 ; 1335,420 1364,420 ; 1336,389 1361,389 ; 1336,415 1361,415 ; 1336,416 1362,416 ; 1336,417 1362,417 ; 1337,388 1362,388 ; 1337,390 1361,390 ; 1337,391 1361,391 ; 1337,392 1361,392 ; 1337,393 1361,393 ; 1337,394 1360,394 ; 1337,395 1360,395 ; 1337,396 1360,396 ; 1337,408 1360,408 ; 1337,409 1360,409 ; 1337,410 1361,410 ; 1337,411 1361,411 ; 1337,412 1361,412 ; 1337,413 1361,413 ; 1337,414 1361,414 ; 1338,387 1362,387 ; 1338,397 1360,397 ; 1338,398 1360,398 ; 1338,399 1360,399 ; 1338,400 1360,400 ; 1338,401 1360,401 ; 1338,402 1360,402 ; 1338,403 1360,403 ; 1338,404 1360,404 ; 1338,405 1360,405 ; 1338,406 1360,406 ; 1338,407 1360,407 ; 1339,386 1362,386 ; 1340,385 1363,385 ; 1341,384 1364,384 ; 1342,383 1364,383 ; 1343,382 1365,382 ; 1344,381 1365,381 ; 1345,380 1366,380 ; 1346,379 1366,379 ; 1347,378 1367,378 ; 1348,377 1368,377 ; 1349,376 1369,376 ; 1350,375 1370,375 ; 1351,374 1371,374 ; 1352,373 1372,373 ; 1353,372 1373,372 ; 1354,266 1382,266 ; 1354,371 1374,371 ; 1355,267 1380,267 ; 1355,370 1375,370 ; 1356,268 1378,268 ; 1356,369 1377,369 ; 1357,269 1377,269 ; 1357,368 1378,368 ; 1358,270 1375,270 ; 1358,367 1380,367 ; 1359,271 1374,271 ; 1359,366 1381,366 ; 1360,272 1373,272 ; 1360,365 1384,365 ; 1361,273 1372,273 ; 1361,364 1387,364 ; 1362,274 1371,274 ; 1362,275 1370,275 ; 1362,276 1369,276 ; 1362,318 1363,318 ; 1362,319 1363,319 ; 1362,320 1364,320 ; 1362,321 1364,321 ; 1362,322 1365,322 ; 1362,323 1365,323 ; 1362,324 1366,324 ; 1362,325 1367,325 ; 1362,326 1368,326 ; 1362,327 1369,327 ; 1362,328 1370,328 ; 1362,329 1371,329 ; 1362,330 1372,330 ; 1362,331 1373,331 ; 1362,332 1374,332 ; 1362,333 1375,333 ; 1362,334 1376,334 ; 1362,335 1377,335 ; 1362,336 1378,336 ; 1362,337 1380,337 ; 1362,338 1383,338 ; 1362,339 1385,339 ; 1362,340 1390,340 ; 1362,341 1474,341 ; 1362,342 1473,342 ; 1362,343 1472,343 ; 1362,344 1471,344 ; 1362,345 1470,345 ; 1362,346 1469,346 ; 1362,347 1468,347 ; 1362,361 1454,361 ; 1362,362 1453,362 ; 1362,363 1452,363 ; 1363,277 1368,277 ; 1363,278 1367,278 ; 1363,279 1367,279 ; 1363,280 1366,280 ; 1363,281 1365,281 ; 1363,282 1365,282 ; 1363,283 1364,283 ; 1363,284 1364,284 ; 1363,348 1467,348 ; 1363,349 1466,349 ; 1363,350 1465,350 ; 1363,351 1464,351 ; 1363,352 1463,352 ; 1363,353 1462,353 ; 1363,354 1461,354 ; 1363,355 1460,355 ; 1363,356 1459,356 ; 1363,357 1458,357 ; 1363,358 1457,358 ; 1363,359 1456,359 ; 1363,360 1455,360 ; 1408,340 1475,340 ; 1411,364 1451,364 ; 1413,339 1476,339 ; 1415,365 1450,365 ; 1416,266 1443,266 ; 1416,338 1477,338 ; 1417,366 1449,366 ; 1418,267 1443,267 ; 1418,337 1477,337 ; 1419,367 1448,367 ; 1420,268 1443,268 ; 1420,336 1477,336 ; 1420,368 1447,368 ; 1421,335 1477,335 ; 1422,269 1443,269 ; 1422,334 1476,334 ; 1422,369 1446,369 ; 1423,270 1443,270 ; 1423,333 1475,333 ; 1423,370 1445,370 ; 1424,271 1444,271 ; 1424,371 1444,371 ; 1425,272 1444,272 ; 1425,332 1474,332 ; 1425,372 1443,372 ; 1426,273 1444,273 ; 1426,331 1473,331 ; 1426,373 1442,373 ; 1427,274 1444,274 ; 1427,330 1472,330 ; 1427,374 1441,374 ; 1428,275 1444,275 ; 1428,329 1471,329 ; 1428,375 1440,375 ; 1429,276 1444,276 ; 1429,328 1470,328 ; 1429,376 1439,376 ; 1430,277 1444,277 ; 1430,326 1468,326 ; 1430,327 1469,327 ; 1430,377 1438,377 ; 1431,278 1444,278 ; 1431,325 1467,325 ; 1431,378 1437,378 ; 1432,279 1447,279 ; 1432,324 1466,324 ; 1432,379 1436,379 ; 1433,280 1461,280 ; 1433,281 1465,281 ; 1433,323 1466,323 ; 1433,380 1435,380 ; 1433,381 1434,381 ; 1434,282 1465,282 ; 1434,283 1464,283 ; 1434,321 1464,321 ; 1434,322 1465,322 ; 1435,284 1463,284 ; 1435,285 1463,285 ; 1435,319 1463,319 ; 1435,320 1464,320 ; 1436,286 1462,286 ; 1436,287 1462,287 ; 1436,288 1462,288 ; 1436,316 1462,316 ; 1436,317 1462,317 ; 1436,318 1463,318 ; 1437,289 1462,289 ; 1437,290 1461,290 ; 1437,291 1461,291 ; 1437,292 1461,292 ; 1437,293 1461,293 ; 1437,311 1461,311 ; 1437,312 1461,312 ; 1437,313 1461,313 ; 1437,314 1461,314 ; 1437,315 1462,315 ; 1438,294 1461,294 ; 1438,295 1461,295 ; 1438,296 1461,296 ; 1438,297 1461,297 ; 1438,298 1461,298 ; 1438,299 1461,299 ; 1438,300 1461,300 ; 1438,301 1461,301 ; 1438,302 1461,302 ; 1438,303 1461,303 ; 1438,304 1461,304 ; 1438,305 1461,305 ; 1438,306 1461,306 ; 1438,307 1461,307 ; 1438,308 1461,308 ; 1438,309 1461,309 ; 1438,310 1461,310
  Bottom Layer w45: 1575,50 2210,50 2540,50 ; 2335,2050 3200,2050 cw(c3200,2000) 3250,2000 3250,1410 3250,690 3250,100 cw(c3200,100) 3200,50 2910,50

## Polygon pours and split planes (outlines as drawn)
no net on Bottom Layer "NONET_L02_P002" (solid, pour order 2): 325,735
GND on Top Layer "GND_L01_P003" (solid, remove dead copper, pour order 3): 2200,2000 2200,100 100,100 100,2000

## Keep-outs
Keep-Out Layer:
  lines w5: 0,895 200,895 200,1205 0,1205 ; 276.81,0 276.81,87.44 cw(c315.35,87.44) 315.35,125.98 368.5,125.98 cw(c368.5,94.49) 400,94.49 400,0 723.15,0 ; 276.81,2300 276.81,2212.56 ccw(c315.35,2212.56) 315.35,2174.02 368.5,2174.02 ccw(c368.5,2205.51) 400,2205.51 400,2300 723.15,2300 783.86,2300 1411.81,2300 1411.81,2205.51 ccw(c1443.31,2205.51) 1443.31,2174.02 1496.46,2174.02 ccw(c1496.46,2212.56) 1535,2212.56 1535,2300 ; 724.8,0 724.8,127.95 ; 724.8,125.95 cw(c754.33,125.95) 783.86,125.95 ; 783.86,127.95 783.86,0 1411.81,0 1411.81,94.49 cw(c1443.31,94.49) 1443.31,125.98 1496.46,125.98 cw(c1496.46,87.44) 1535,87.44 1535,0

## Silkscreen, mask and mechanical layers (free items; w line width, h text height)
Top Overlay:
  lines w10: 250,1750 2050,1750 ; 350,1650 350,1850 ; 450,1650 450,1850 ; 550,1650 550,1850 ; 650,1650 650,1850 ; 750,1650 750,1850 ; 850,1650 850,1850 ; 950,250 950,450 ; 950,1600 950,1900 ; 1050,1650 1050,1850 ; 1150,1650 1150,1850 ; 1250,250 1250,450 ; 1250,1600 1250,1900 ; 1350,250 1350,450 ; 1350,1600 1350,1900 ; 1450,250 1450,450 ; 1450,1600 1450,1900 ; 1550,250 1550,450 ; 1550,1600 1550,1900 ; 1650,250 1650,450 ; 1650,1600 1650,1900 ; 1750,250 1750,350 1850,350 1850,450 ; 1750,1600 1750,1750 1750,1850 ; 1850,1650 1850,1750 1850,1900 ; 1950,1650 1950,1850 ; 250,1600 1525,1600 1875,1600 2050,1600 2050,1900 250,1900 250,1650 250,1600
  text "Digital" at 258,1945 h36
  text "ADC" at 1258,1933 h36
  text "Analog" at 958,1920 h36
  text "USB" at 1458,1918 h36
  text "PWR" at 1858,1918 h36
  text "2" at 224.99,1808.34 h50 r90
  text "A1" at 1017.99,1801.01 h36 r90
  text "13" at 917.99,1798.01 h36 r90
  text "07" at 617.99,1795.01 h36 r90
  text "A3" at 1117.99,1795.01 h36 r90
  text "A5" at 1217.99,1795.01 h36 r90
  text "A7" at 1317.99,1795.01 h36 r90
  text "D+" at 1517.99,1795.01 h36 r90
  text "FD" at 1817.99,1795.01 h36 r90
  text "11*" at 817.99,1783.01 h36 r90
  text "36" at 2124.99,1783.35 h50 r90
  text "01T" at 317.99,1780.01 h36 r90
  text "05*" at 517.99,1777.02 h36 r90
  text "09*" at 717.99,1777.02 h36 r90
  text "3V3" at 1617.99,1777.02 h36 r90
  text "SCL" at 1717.99,1777.02 h36 r90
  text "VCC" at 1917.99,1777.02 h36 r90
  text "GND" at 2017.99,1777.02 h36 r90
  text "03*" at 397.99,1762.02 h36 r90
  text "GND" at 1440.99,1762.35 h32 r90
  text "1" at 224.99,1666.67 h50 r90
  text "12" at 917.99,1648.01 h36 r90
  text "02" at 417.99,1645.01 h36 r90
  text "04" at 517.99,1645.01 h36 r90
  text "08" at 717.99,1645.01 h36 r90
  text "A0" at 1017.99,1645.01 h36 r90
  text "A2" at 1117.99,1645.01 h36 r90
  text "A4" at 1217.99,1645.01 h36 r90
  text "A6" at 1317.99,1645.01 h36 r90
  text "D-" at 1517.99,1645.01 h36 r90
  text "35" at 2124.99,1633.35 h50 r90
  text "10*" at 817.99,1630.01 h36 r90
  text "00R" at 317.99,1627.02 h36 r90
  text "06*" at 617.99,1627.02 h36 r90
  text "RST" at 1417.99,1627.02 h36 r90
  text "SDA" at 1717.99,1627.02 h36 r90
  text "VCC" at 1917.99,1627.02 h36 r90
  text "GND" at 2017.99,1627.02 h36 r90
  text "VNFC" at 1617.99,1609.02 h36 r90
  text "VUSB" at 1817.99,1609.02 h36 r90
  text "RST" at 1358,1548 h36
  text "NFC" at 1558,1548 h36
  text "Twitter" at 2540,1385 h60 r90
  text "GND" at 3010,1270.01 h60
  text "MOSI" at 3010,1170.01 h60
  text "5V" at 3010,1070.01 h60
  text "RST" at 3010,970.01 h60
  text "SCLK" at 3010,870.01 h60
  text "MISO" at 3010,770.01 h60
  text "ISP" at 2890,760 h60 r90
  text "MINI PCI-E (300mA MAX)" at 510,170.01 h60
  text "QQ" at 2540,110 h60 r90
Bottom Overlay:
  drawing of 29820 lines, arcs and shapes, not listed
Top Solder:
  rectangle: 400,0 1411.81,94.49
  lines w45: 50,775 50,100 ccw(c100,100) 100,50 235,50 ; 50,1325 50,2000 cw(c100,2000) 100,2050 ; 95,2050 235,2050 ; 440,2050 1370,2050 ; 1575,50 2210,50 3200,50 ccw(c3200,100) 3250,100 3250,690 3250,2000 ccw(c3200,2000) 3200,2050 2210,2050 1580,2050
Bottom Solder:
  drawing of 24112 lines, arcs and shapes, not listed
Mechanical 1:
  lines w10: 275.81,2100 100,2100 ccw(c100,2000) 0,2000 0,1205 200,1205 200,895 0,895 0,100 ccw(c100,100) 100,0 276.81,0 276.81,87.44 cw(c315.35,87.44) 315.35,125.98 ; 276.81,2099 276.81,2044.56 ccw(c315.35,2044.56) 315.35,2006.02 368.5,2006.02 1443.31,2006.02 1496.46,2006.02 ccw(c1496.46,2044.56) 1535,2044.56 1535,2100 2175,2100 3200,2100 cw(c3200,2000) 3300,2000 3300,1375 3300,725 3300,100 cw(c3200,100) 3200,0 1535,0 1535,87.44 ccw(c1496.46,87.44) 1496.46,125.98

## Text inside footprints (layer, text, board x,y; h text height)
P1: Top Overlay "36" at 2124.99,358.35 h50 r90; Top Overlay "1" at 224.99,291.67 h50 r90; Top Overlay "2" at 224.99,383.34 h50 r90; Top Overlay "35" at 2124.99,258.35 h50 r90